# Altium PCB PCB1-recovery2.PcbDoc (part 4 of 5) (continued)
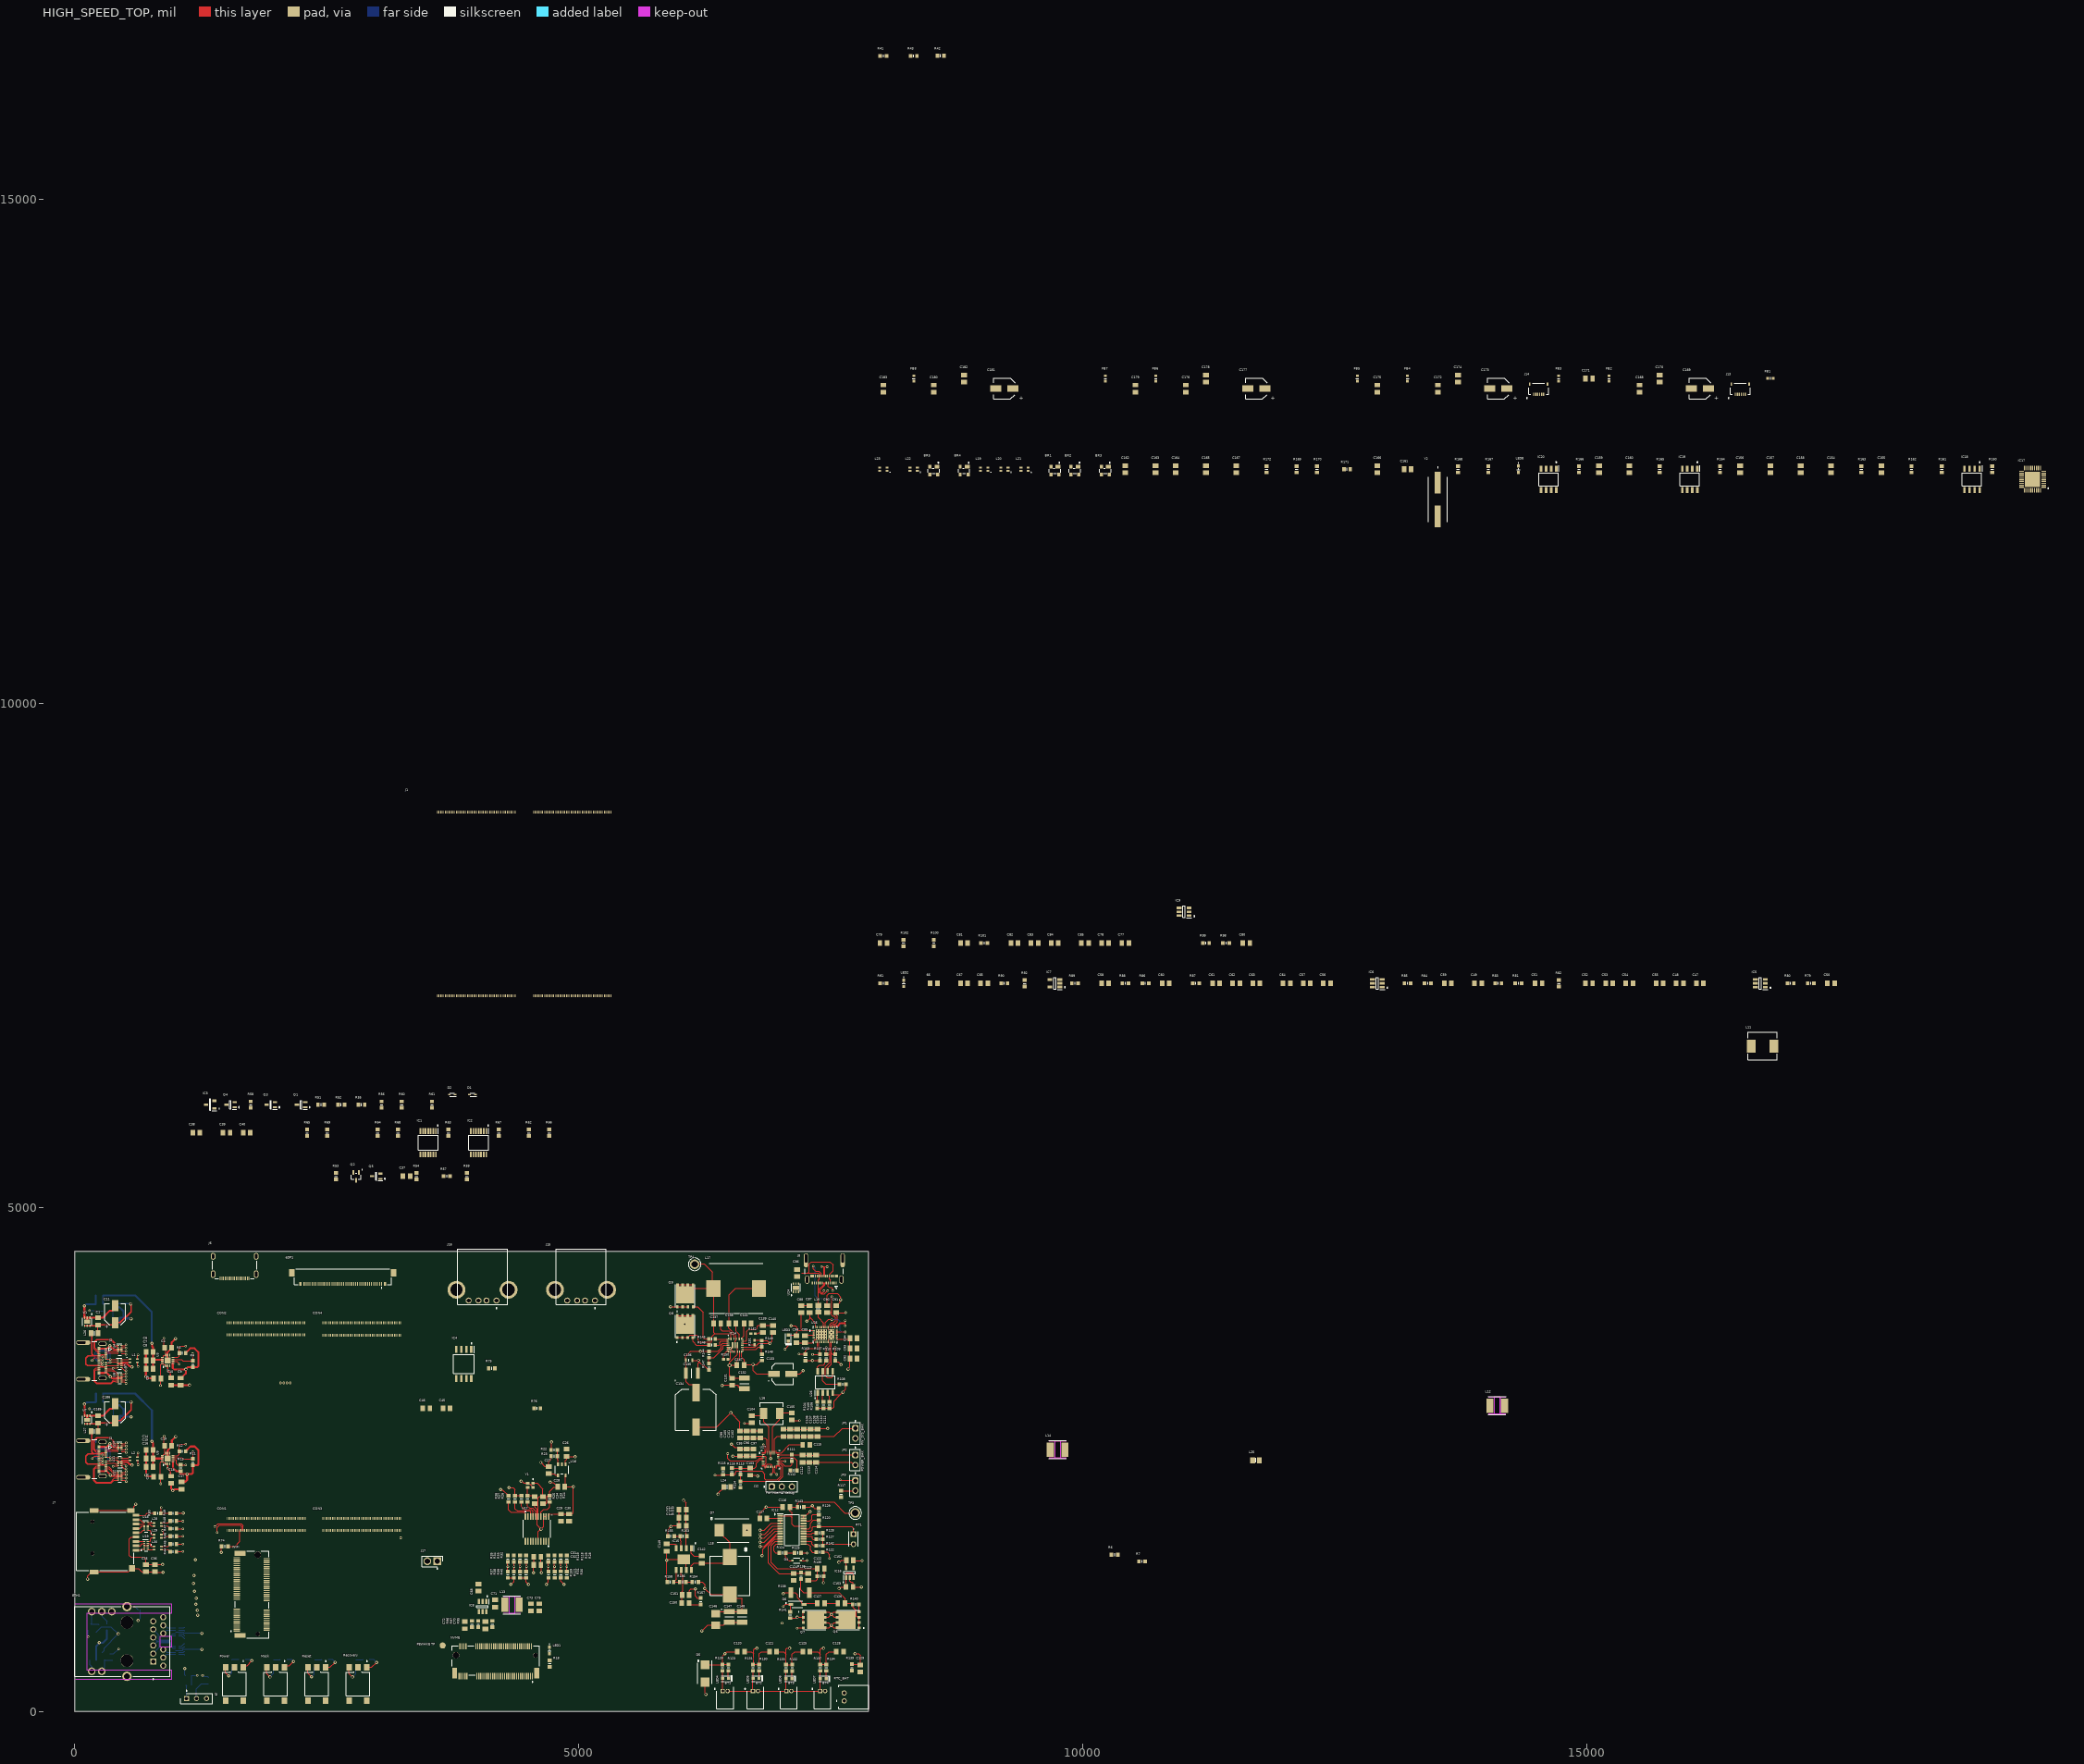
[diagram p0: HIGH_SPEED_TOP view]
## Nets (pads, with @x,y where several pads share a name; then routed paths per layer and width w, separated by ;. In a path a pad name is that pad's centre, name@x,y a point inside that pad or via, vN(x,y) a via of type N, cw(c..) or ccw(c..) an arc to the next point about the centre after c; other vN are vias at no path point) (continued)
IC8_EN: C70.2 IC8.5 R95.2
IC8_SW: C71.2 IC8.2 L13.2
IC8_VFB: C72.1 IC8.4 R96.1 R97.2
IC8_VIN: C68.2 C69.2 IC8.3 R93.2 R94.2
IC9_EN: C79.2 IC9.5 R100.2
IC9_SW: C80.2 IC9.2 L14.2
IC9_VBST: C80.1 C81.1 IC9.4 IC9.6 R101.1 R102.2
IC9_VIN: C77.2 C78.2 IC9.3 R98.2 R99.2
IC12_AVVD: C117.1 IC12.2 | length 132
  HIGH_SPEED_TOP w7.87: C117.1@6866.43,1918 6866.59,1918.16 IC12.2@6998.33,1918.16
IC12_VDD: C116.1 IC12.1 IC12.20 R143.1 TP3.TP | length 1164.1
  HIGH_SPEED_TOP w7.87: IC12.1@6998.33,1943.75 7096.25,1943.75 7116,1924 ; R143.1@7169.25,2028.75 7168,2030 C116.1@7092.43,2030 7093.74,2028.69 7093.74,1994.26 7116,1972 7116,1924 ; R143.1@7170.5,2030 7170.5,2066.5 7184,2080 7531,2080 7640,1971 TP3.TP@7743,1971 ; IC12.20@7229.67,1841.39 7134.61,1841.39 7116,1860 7116,1924
IC15_BOOT: C142.1 IC15.1 | length 164.4
  HIGH_SPEED_TOP w7.87: IC15.1@6116,1618.77 6116,1569 6141.57,1543.43 C142.1@6220,1543.43
IC15_COMP: C150.2 C151.2 IC15.6 | length 338.3
  HIGH_SPEED_TOP w7.87: C150.2@6023.57,1077 C151.2@6023.57,1157 6025,1158.43 6025,1190
  HIGH_SPEED_TOP w10: IC15.6@6016,1405.23 6016,1360 6032,1344 6032,1197 6025,1190
IC15_EN: IC15.3 R153.1 R155.2 | length 187.2
  HIGH_SPEED_TOP w10: R155.2@5946.5,1740 6006.5,1740 R153.1@6007.5,1741 6007.5,1695.5 6016,1687 IC15.3@6016,1618.77
IC15_PH: C142.2 D7.1 IC15.8 L18.1 | length 777.8
  HIGH_SPEED_TOP w10: IC15.8@6116,1405.23 6116,1447 6141.57,1472.57 C142.2@6220,1472.57 6449.37,1472.57 6500,1523.2 L18.1@6500,1535.01 6500,1674.47 6392.2,1782.27 D7.1@6392.2,1799
IC15_SS: C149.2 IC15.4 | length 137.5
  HIGH_SPEED_TOP w7.87: C149.2@5871.06,1663.43 5871.62,1664 5961,1664 5966,1659 IC15.4@5966,1618.77
IC15_VSENSE: IC15.5 R156.1 R158.2 | length 188.8
  HIGH_SPEED_TOP w10: IC15.5@5966,1405.23 5966,1314.47 5940.5,1288.97 R158.2@5940.5,1287 R156.1@6000.5,1287
ILIM: IC14.17 R151.2 | length 127.2
  HIGH_SPEED_TOP w7.87: IC14.17@6622.76,3654.68 6679.31,3654.68 6693.65,3640.35 R151.2@6744,3640.35
ILIM_HIZ: R113.1 R114.2 U27.17 | length 662.2
  HIGH_SPEED_TOP w7.87: R113.1@6604,2352.5 R114.2@6604,2284.5 6604.5,2284 6976,2284 7022,2330 7022,2430.96 6998.2,2454.76 U27.17@6975.84,2454.76
IREF: R36.2 U17.10 | length 289.1
  HIGH_SPEED_TOP w10: R36.2@4303,2079.5 4302,2078.5 4302,2002 4325,1979 4453.34,1979 4469.84,1962.5 U17.10@4469.84,1935.5
LD: IC12.14 R142.1 | length 154.1
  HIGH_SPEED_TOP w7.87: IC12.14@7229.67,1687.84 7303.16,1687.84 7311,1680 7311,1664 7328,1647 R142.1@7357.5,1647
LDO_1V5: C89.2 U25.2 U25.3 U25.4 | length 119.5
  HIGH_SPEED_TOP w7.87: C89.2@7244.14,3734.05 7320.86,3734.05 7322.17,3732.74 U25.4@7329.26,3732.74 ; U25.4@7330.04,3732.74 U25.4@7329.26,3732.74 ; U25.3@7330.04,3748.49 U25.3@7329.26,3748.49 ; U25.2@7330.04,3764.24 7329.26,3764.24 U25.3@7329.26,3748.49 ; U25.4@7329.26,3732.74 U25.3@7329.26,3748.49
LDO_3V3: C88.2 C98.2 LED3.1 R109.1 R110.1 U25.1 U26.8 | length 1473
  HIGH_SPEED_TOP w7.87: v1(7105,3827) 7146,3827 7176.51,3796.49 7176.51,3779.99 ; C98.2@7159.14,3731.05 7159.14,3762.62 7176.51,3779.99 ; U25.1@7330.04,3779.99 7218.99,3779.99 7176.51,3779.99
  HIGH_SPEED_TOP w10: LED3.1@7080,3734.53 7155.66,3734.53 C98.2@7159.14,3731.05 ; C88.2@7206,3957.57 7206,3792.97 7218.99,3779.99 ; U26.8@7369,3375.77 7369,3420 7387,3438 7429,3438 7440.53,3449.53 7440.53,3468.4 7453.25,3481.12 R110.1@7455.21,3481.12 ; R109.1@7543.21,3481.12 7555.93,3468.4 7574.6,3468.4 v1(7602,3441)
  SIGNAL w10: v1(7105,3827) 7146,3827 7532,3441 v1(7602,3441)
LED2_25GLAN_1GLED: CON1.74 R16.1 | length 107.7
  HIGH_SPEED_BOT w10: 345,574.5 385.5,574.5 v2(433,622)
LED3_25GLAN_25GLED: CON1.72 R17.1 | length 64.5
  HIGH_SPEED_BOT w10: v2(132,743) 132,807.5
LED+: ETH1.16 R15.1 | length 144
  HIGH_SPEED_BOT w10: ETH1.16@267,992 275.5,983.5 275.5,939.5 319,896 R15.1@319,869.5
LEDGREEN-: C24.2 ETH1.17 R17.2 | length 205.9
  HIGH_SPEED_BOT w10: ETH1.17@167,992 167,875.49 R17.2@161,869.5 231.94,869.5 C24.2@239,862.43
LEDYellow+: ETH1.14 R14.1 | length 119.2
  HIGH_SPEED_BOT w10: R14.1@149.5,512 149.5,464.5 167,447 ETH1.14@167,400
LEDYellow-: C23.2 ETH1.13 R16.2 | length 205.9
  HIGH_SPEED_BOT w10: ETH1.13@267,400 267,411.47 298.39,442.86 C23.2@298.39,515.32 303.21,510.5 R16.2@374,510.5
LPWR: IC12.15
MASK: Mask.1 R72.2 | length 188.8
  HIGH_SPEED_TOP w10: Mask.1@2080.25,439.35 2095.89,455 2129,455 v1(2171,497)
  HIGH_SPEED_BOT w10: R72.2@2105.5,518 2148.16,518 2169.16,497 v1(2171,497)
Net66_2: 66.2 IC7.4
NetBT1_1: BT1.1 LED4.1 R126.1 | length 202.7
  HIGH_SPEED_TOP w7.87: R126.1@6425,405.5 6425,329.94 LED4.1@6425.94,329 6425.94,206.06 BT1.1@6428,204
NetBT1_2: BT1.2 BT2.1 LED5.1 R131.1 | length 451.7
  HIGH_SPEED_TOP w7.87: BT2.1@6727,204 6727,328.18 LED5.1@6727.89,329.07 6728,329.18 R131.1@6728,405.5
  HIGH_SPEED_TOP w10: BT1.2@6477.21,204 BT2.1@6727,204
NetBT2_2: BT2.2 BT3.1 LED6.1 R133.1 | length 484.5
  HIGH_SPEED_TOP w7.87: R133.1@7056,403.5 7056,328.53 LED6.1@7054.47,327 7054.47,208.32 BT3.1@7058.79,204
  HIGH_SPEED_TOP w10: BT2.2@6776.21,204 BT3.1@7058.79,204
NetBT3_2: BT3.2 BT4.1 LED7.1 R137.1 | length 487.9
  HIGH_SPEED_TOP w7.87: BT4.1@7394,204 7394.47,204.47 LED7.1@7394.47,326 7395,326.53 R137.1@7395,405.5
  HIGH_SPEED_TOP w10: BT3.2@7108,204 BT4.1@7394,204
NetC22_2: C22.2 eDP1.17 eDP1.18 eDP1.19 U13.5 U13.6
NetC47_2: C47.2 C48.2 IC5.3 R79.2 R80.2
NetC49_2: C49.2 IC5.5 R81.2
NetC50_1: C50.1 IC5.6
NetC50_2: C50.2 IC5.2 L11.2
NetC51_1: C51.1 IC5.4 R82.1 R83.2
NetC56_2: C56.2 C57.2 IC6.3 R84.2 R85.2
NetC58_2: C58.2 IC6.5 R86.2
NetC59_1: C59.1 IC6.6
NetC59_2: C59.2 IC6.2 L12.2
NetC60_1: C60.1 IC6.4 R87.1 R88.2
NetC65_2: C65.2 IC7.1 R89.2 R90.2
NetC104_1: C104.1 U27.4 | length 912.8
  HIGH_SPEED_TOP w7.87: v2(6478,2559) 6478,2510 6502,2486 6760,2486 6791.75,2517.75 U27.4@6828.2,2517.75 ; C104.1@6714.43,2865 C104.1@6715,2865.57
  HIGH_SPEED_TOP w10: v2(6642,2861) 6710.43,2861 C104.1@6714.43,2865
  LOW_SPEED w7.87: v2(6478,2559) 6478,2775 6564,2861 v2(6642,2861)
NetC104_2: C104.2 L16.1 U27.28 | length 536.9
  HIGH_SPEED_TOP w7.87: L16.1@6831.78,2958 6837.12,2952.66 6837.12,2871.88 6885.28,2823.72 U27.28@6885.28,2568.93
  HIGH_SPEED_TOP w10: C104.2@6715,2936.43 6810.22,2936.43 L16.1@6831.78,2958
NetC105_1: C105.1 U27.19 | length 670
  HIGH_SPEED_TOP w7.87: U27.19@6976.23,2486.25 7039.38,2486.25 7042.64,2483 v2(7047,2483)
  HIGH_SPEED_TOP w10: C105.1@7113,2893.57 7118.57,2888 v2(7190,2888)
  LOW_SPEED w7.87: v2(7047,2483) 7076.21,2483 7235,2641.79 7235,2843 v2(7190,2888)
NetC105_2: C105.2 L16.2 U27.26 | length 542.1
  HIGH_SPEED_TOP w7.87: U27.26@6920.72,2568.93 6920.72,2822.72 6992.22,2894.22 L16.2@6992.22,2958
  HIGH_SPEED_TOP w10: L16.2@6992.22,2958 6998.65,2964.43 C105.2@7113,2964.43
NetC115_2: C115.2 U27.24 | length 296.6
  HIGH_SPEED_TOP w7.87: U27.24@6957.38,2566.22 7007.22,2566.22 7088,2647 C115.2@7220.57,2647
NetC126_1: C126.1 Q6.1 Q6.2 Q6.3 R136.1 R138.1 R140.2 | length 977.8
  HIGH_SPEED_TOP w7.87: R140.2@7716.5,1064 7722.9,1057.6 7722.9,1035.09 7754.9,1003.09 7754.9,947.99 7759.52,943.38 7773.94,943.38 Q6.3@7781.14,936.18 ; Q6.1@7781.14,831.46 Q6.2@7781.14,883.64 7782.05,884.54 7782.05,935.09 Q6.3@7781.14,936
  HIGH_SPEED_TOP w10: R136.1@7204,1315.5 7204,1207 7231,1180 R138.1@7287,1180 7583,1180 7641.34,1121.66 7641.34,1074.9 C126.1@7640.43,1074 7641.34,1073.09 7707.41,1073.09 R140.2@7716.5,1064
NetC126_2: C126.2 C127.1 | length 132.1
  HIGH_SPEED_TOP w10: C127.1@7437.43,1074 C126.2@7569.57,1074
NetC137_2: C137.2 IC14.23 L17.1 Q8.1 Q8.2 Q8.3 Q9.5 Q9.6 Q9.7 Q9.8 Q9.9 TP4.TP | length 1982.2
  HIGH_SPEED_TOP w7.87: Q8.1@5975.28,3712 Q8.2@6027.64,3712 Q8.3@6080,3712 ; Q8.3@6080,3713.48 6103.52,3737 6168,3737 6182,3723 6182,3685 6198,3669 6315,3669 6322,3676 6322,3724 6348,3750 ; TP4.TP@6149,4438 6155,4444 6242,4444 6326.62,4359.38 L17.1@6326.62,4199 ; C137.2@6337.57,3850 6337.57,3760.43 6348,3750 ; IC14.23@6509.06,3698.5 6509.06,3729.94 6489,3750 6348,3750
  HIGH_SPEED_TOP w10: Q9.8@5979.15,4234.04 Q9.7@6030.53,4234.04 Q9.6@6081.47,4234.04 Q9.5@6132.85,4234.04 ; Q9.9@6056,4136.6 6117.4,4198 L17.1@6334.62,4198 6337.57,4195.06 C137.2@6337.57,3850
NetC139_1: C139.1 R152.2 | length 80.1
  HIGH_SPEED_TOP w7.87: R152.2@6750.65,3750 6774,3750 6785,3761 6825.57,3761 C139.1@6826,3760.57
NetC150_1: C150.1 R157.2 | length 118.1
  HIGH_SPEED_TOP w7.87: C150.1@6094.43,1062 6200.5,1062 R157.2@6209,1070.5
NetC155_1: C155.1 IC17.27 R160.2 R163.1
NetC161_2: C161.2 IC17.33 R172.2 Y2.1
NetC166_1: C166.1 IC17.26 R167.2
NetC167_2: C167.2 IC17.32 R172.1 Y2.2
NetC170_1: C170.1 FB1.2 J13.6
NetC170_2: C170.2 FB2.2 J13.1
NetC171_1: C171.1 J13.MP1 J13.MP2
NetC174_1: C174.1 FB3.2 J14.6
NetC174_2: C174.2 FB4.2 J14.1
NetC175_1: C175.1 J14.MP1 J14.MP2
NetC178_1: C178.1 FB5.2 J15.1
NetC178_2: C178.2 FB6.2 J15.4
NetC179_1: C179.1 J15.5 J15.6
NetC182_1: C182.1 FB7.2 J16.1
NetC182_2: C182.2 FB8.2 J16.4
NetC183_1: C183.1 J16.5 J16.6
NetCON1_1: CON1.1 CON1.2 CON1.3 CON1.4 CON1.5 CON1.6 CON1.7 CON1.8 CON1.9 CON1.10 R6.1 R7.1
NetD1_1: D1.1 R56.2 R59.2
NetD2_1: D2.1 R61.2
NetFB9_2: FB9.2 J2.SH1 J2.SH2 J2.SH3 J2.SH4 | length 68.5
  HIGH_SPEED_BOT w19.68: FB9.2@242.43,3370 242.43,3331.08 J2.SH2@263.37,3310.13
NetFB10_2: FB10.2 J3.SH1 J3.SH2 J3.SH3 J3.SH4 | length 85.2
  HIGH_SPEED_BOT w19.68: 195.9,2688.1 207.71,2676.29 ; FB10.2@243.43,2396 243.43,2357.08 J3.SH2@264.37,2336.13
NetIC1_2: IC1.2 R62.1
NetIC1_5: IC1.5 R63.1
NetIC1_9: IC1.9 R64.1
NetIC1_12: IC1.12 R65.1
NetIC2_2: IC2.2 R66.1
NetIC2_5: IC2.5 R67.1
NetIC2_9: IC2.9 R68.1
NetIC2_12: IC2.12 R69.1
NetIC7_3: IC7.3 R90.1 R91.2
NetIC14_8: IC14.8 R150.2 | length 98.3
  HIGH_SPEED_TOP w7.87: R150.2@6478.38,3495.5 6480.88,3498 6501,3498 6506.1,3503.1 IC14.8@6506.1,3570.55
NetIC17_22: IC17.22 R171.1
NetIC17_24: IC17.24 R170.1
NetIC17_25: IC17.25 R169.1
NetIC17_28: IC17.28 R165.2 R166.1
NetIC17_35: IC17.35 R168.1
NetIC18_1: IC18.1 R161.2 R162.2
NetJP3_2: JP3.2 R117.2 | length 142.6
  HIGH_SPEED_TOP w7.87: R117.2@7601,2190.5 7602.5,2192 JP3.2@7743,2192
NetLED1_2: LED1.2 R18.1
NetLED2_2: LED2.2 R92.1
NetLED4_2: LED4.2 R123.1 | length 76.9
  HIGH_SPEED_TOP w7.87: R123.1@6484,405.5 6484,330 LED4.2@6485,329
NetLED5_2: LED5.2 R130.1 | length 77.3
  HIGH_SPEED_TOP w7.87: LED5.2@6786.94,329.07 6789,331.12 R130.1@6789,405.5
NetLED6_2: LED6.2 R132.1 | length 77.9
  HIGH_SPEED_TOP w7.87: LED6.2@7113.53,327 7117,330.47 R132.1@7117,403.5
NetLED7_2: LED7.2 R134.1 | length 80.1
  HIGH_SPEED_TOP w7.87: LED7.2@7453.53,326 7455,327.47 R134.1@7455,405.5
NetLED8_2: LED8.2 R165.1
NetQ2_1: Q2.1 R58.2
NetQ4_1: Q4.1 Q5.3 R52.1
NetQ5_1: Q5.1 R53.2 R54.2
NetQ8_4: Q8.4 R146.2 | length 212.8
  HIGH_SPEED_TOP w7.87: Q8.4@6132.36,3712 6132.36,3671.64 6167.5,3636.5 R146.2@6290.24,3636.5
NetQ9_4: Q9.4 R145.2 | length 436.8
  HIGH_SPEED_TOP w7.87: Q9.4@6134.54,4015.46 6177.54,4015.46 6234,3959 6234,3704 6240.5,3697.5 R145.2@6290.24,3697.5
NetR6_2: R6.2 R7.2
NetR41_2: R41.2 WIFI.23
NetR42_1: R42.1 WIFI.12
NetR43_1: R43.1 WIFI.14
NetR57_2: R57.2 R58.1
NetR104_2: R104.2 U26.1 | length 91.2
  HIGH_SPEED_TOP w10: R104.2@7364.26,3073.04 7369,3077.78 U26.1@7369,3162.23
NetR105_2: R105.2 U26.2 | length 92.2
  HIGH_SPEED_TOP w10: U26.2@7419,3162.23 7419,3080.22 R105.2@7426.18,3073.04
NetR106_2: R106.2 U26.3 | length 97.1
  HIGH_SPEED_TOP w10: U26.3@7469,3162.23 7469,3145 7488,3126 R106.2@7488,3072.99
NetR108_2: R108.2 U26.7 | length 276.4
  HIGH_SPEED_TOP w10: U26.7@7419,3375.77 7419,3281 7449,3251 7582.5,3251 R108.2@7586.51,3247
NetR111_2: R111.2 U27.18 | length 188.6
  HIGH_SPEED_TOP w7.87: U27.18@6976.82,2470.5 7009.5,2470.5 7041,2439 7100,2439 7113,2452 R111.2@7113,2486.01
NetR154_1: R154.1 R156.2 | length 61
  HIGH_SPEED_TOP w10: R156.2@6063.5,1287 R154.1@6124.5,1287
NetU18_4: U18.4 U18.7
NetU19_4: U19.4 U19.7
NetU25_15: U25.15 U25.30 U25.40 | length 79.9
  HIGH_SPEED_TOP w7.87: U25.15@7475.71,3665.81 7475.71,3688.65 7487.52,3700.46 v3(7487.91,3700.46) ; U25.30@7475.71,3815.42 7475.71,3792.59 7487.52,3780.77 v3(7487.91,3780.77)
  other v3: 7523.35,3700.46 7505.63,3720.54 7487.91,3740.62 7523.35,3740.62 7505.63,3760.69 7523.35,3780.77
NVME_LED: LED1.1 NVME.10
NVME_REFCLK_A_N: NVME.53 R29.2 R31.1 | length 95.3
  HIGH_SPEED_TOP w10: R31.1@4820,1391 4820.33,1391.33 v2(4820.33,1439) 4820.33,1485.67 R29.2@4820,1486.01
NVME_REFCLK_A_P: NVME.55 R28.2 R30.1 | length 96.3
  HIGH_SPEED_TOP w10: R30.1@4881,1390.5 4882,1391.5 v2(4882,1439) 4882,1485.01 R28.2@4881,1486.01
OCDP: IC12.17 R128.2 | length 131.3
  HIGH_SPEED_TOP w7.87: IC12.17@7229.67,1764.61 7310.61,1764.61 7319,1773 R128.2@7357.5,1773
OCS_N1: IC17.13 IC18.2 IC19.2
OCS_N2: IC17.17 IC19.3
OCS_N3: IC17.19 IC20.2
OCS_N4: IC17.21 IC20.3
OE: R27.1 U17.8 | length 279.9
  HIGH_SPEED_TOP w10: R27.1@4367,2079.5 4367,2013 4389,1991 4512,1991 4521.02,1981.98 U17.8@4521.02,1935.5
P3V3: C87.2 C152.2 IC16.5 R103.2 R107.2 U25.38 | length 514.6
  HIGH_SPEED_TOP w7.87: R103.2@7248.14,3483.62 v1(7318.14,3483.62) 7389.64,3483.62 R107.2@7392.14,3481.12 ; C87.2@7292,3953.69 7292,3911 7350,3853 7350,3839.32 7349.72,3839.04 U25.38@7349.72,3815.42
  HIGH_SPEED_TOP w10: v1(7262,3873) 7292,3903 7292,3911 ; v1(7580,1482) 7585.44,1482 7604.64,1501.2 C152.2@7653.77,1501.2 7650.8,1498.23 IC16.5@7650.8,1427.41
P25G_MDI0_N: CON1.80 L3.2
P25G_MDI0_O_N: ETH1.10 L3.3 U14.2 U14.9 | length 199.2
  HIGH_SPEED_BOT w10: ETH1.10@877,776 911.69,810.69 U14.9@997.27,810.69 ; U14.2@1030.73,810.69 1079.26,810.69 1085.69,804.25 L3.3@1092.58,804.25
P25G_MDI0_O_P: ETH1.11 L3.4 U14.1 U14.10 | length 195
  HIGH_SPEED_BOT w10: ETH1.11@877,856 889.54,856 915.18,830.37 U14.10@997.27,830.37 ; U14.1@1030.73,830.37 1080.32,830.37 1085.69,835.75 L3.4@1092.58,835.75
P25G_MDI0_P: CON1.78 L3.1
P25G_MDI1_N: CON1.86 L4.1
P25G_MDI1_O_N: ETH1.5 L4.4 U14.4 U14.7 | length 393.2
  HIGH_SPEED_BOT w10: ETH1.5@777,816 831,762 831,719.86 836.86,714 938,714 946,722 946,745.87 971.44,771.32 U14.7@997.27,771.32 ; U14.4@1030.73,771.32 1070.13,771.32 1085.69,755.75 L4.4@1092.58,755.75
  other v1: 1196,1507
P25G_MDI1_O_P: ETH1.4 L4.3 U14.5 U14.6 | length 340.4
  HIGH_SPEED_BOT w10: ETH1.4@777,736 809,704 938,704 956,722 956,745.77 961.86,751.63 U14.6@997.27,751.63 ; U14.5@1030.73,751.63 1058.32,751.63 1085.69,724.25 L4.3@1092.58,724.25
  other v1: 1181,1349
P25G_MDI1_P: CON1.84 L4.2
P25G_MDI2_N: CON1.92 L5.2
P25G_MDI2_O_N: ETH1.2 L5.3 U15.2 U15.9 | length 394.7
  HIGH_SPEED_BOT w10: ETH1.2@777,576 838,637 838,678.14 843.86,684 939,684 951,672 951,648.44 971.44,628 U15.9@997.27,628 ; U15.2@1030.73,628 1069.44,628 1085.69,644.25 L5.3@1092.58,644.25
  other v1: 1186,1193
P25G_MDI2_O_P: ETH1.3 L5.4 U15.1 U15.10 | length 339.5
  HIGH_SPEED_BOT w10: ETH1.3@777,656 815,694 939,694 956,677 961,672 961,653.54 966.86,647.68 U15.10@997.27,647.68 ; U15.1@1030.73,647.68 1057.63,647.68 1085.69,675.75 L5.4@1092.58,675.75
  other v1: 1176,1271
P25G_MDI2_P: CON1.90 L5.1
P25G_MDI3_N: CON1.98 L6.1
P25G_MDI3_O_N: ETH1.9 L6.4 U15.4 U15.7 | length 196.4
  HIGH_SPEED_BOT w10: ETH1.9@877,616 886.06,616 913.44,588.63 U15.7@997.27,588.63 ; U15.4@1030.73,588.63 1078.58,588.63 1085.69,595.75 L6.4@1092.58,595.75
P25G_MDI3_O_P: ETH1.8 L6.3 U15.5 U15.6 | length 197.7
  HIGH_SPEED_BOT w10: ETH1.8@877,536 909.94,568.94 U15.6@997.27,568.94 ; U15.5@1030.73,568.94 1081,568.94 1085.69,564.25 L6.3@1092.58,564.25
P25G_MDI3_P: CON1.96 L6.2
PACK+: C112.2 C113.2 C114.2 JP2.1 Q6.5 Q6.6 Q6.7 Q6.8 Q6.9 Q7.5 Q7.6 Q7.7 Q7.8 Q7.9 R111.1 R129.1 R143.2 U27.22 U27.23 | length 1507.7
  HIGH_SPEED_TOP w7.87: U27.22@6977.8,2533.5 U27.23@6977.8,2549.24 7112.76,2549.24 R111.1@7113,2549 7214.8,2549 C112.2@7219.72,2544.08 C113.2@7287,2544.08 C114.2@7354.28,2544.08 7356.21,2546 JP2.1@7743,2546 ; R143.2@7233.5,2030 7234.5,2029 7294.47,2029 7309.47,2044 v1(7316,2044) 7316,2037.47 7328.8,2024.68 7328.8,2023.03 7334.36,2017.46 R129.1@7381.87,2017.46
  HIGH_SPEED_TOP w10: Q7.5@7445.58,832.97 7480.97,832.97 v1(7504,856) ; Q7.6@7445.58,884.35 7475.65,884.35 v1(7504,856) ; Q7.7@7445.58,935.29 7476.29,935.29 v1(7504,963) ; Q7.8@7445.58,986.67 7480.33,986.67 v1(7504,963) ; Q6.8@7562.56,832.97 7527.03,832.97 v1(7504,856) ; Q6.7@7562.56,884.35 7532.35,884.35 v1(7504,856) ; Q6.6@7562.56,935.29 7531.71,935.29 v1(7504,963) ; Q6.5@7562.56,986.67 7527.67,986.67 v1(7504,963)
PCIE20_1_REFCLK_N: CON3.17
PCIE20_1_REFCLK_P: CON3.15
PCIE20_1_RX_N: CON3.11 WIFI.43
PCIE20_1_RX_P: CON3.9 WIFI.41
PCIE20_1_TX_N: CON3.5 WIFI.37
PCIE20_1_TX_P: CON3.3 WIFI.35
PCIE30_PORT0_IN_REFCLK_N: CON3.18 R35.2 R37.1 | length 95
  HIGH_SPEED_TOP w10: R37.1@4295.05,1390.5 R37.1@4295.05,1390.5 v2(4295,1439) R35.2@4295.05,1485.5 R35.2@4295.05,1485.5
PCIE30_PORT0_IN_REFCLK_P: CON3.16 R34.2 R38.1 | length 95.6
  HIGH_SPEED_TOP w10: R38.1@4356,1390.5 4356.67,1391.16 v2(4356.67,1439) 4356.67,1484.84 R34.2@4356,1485.5
PCIE30_PORT0_RX0_N: CON3.6 NVME.41
PCIE30_PORT0_RX0_P: CON3.4 NVME.43
PCIE30_PORT0_RX1_N: CON3.12 NVME.29
PCIE30_PORT0_RX1_P: CON3.10 NVME.31
PCIE30_PORT0_TX0_N: CON3.24 NVME.47
PCIE30_PORT0_TX0_P: CON3.22 NVME.49
PCIE30_PORT0_TX1_N: CON3.30 NVME.35
PCIE30_PORT0_TX1_P: CON3.28 NVME.37
PCIE30_PORT1_IN_REFCLK_N: CON3.60 R33.2 R39.1 | length 96.1
  HIGH_SPEED_TOP w10: R39.1@4417,1390.5 4418.33,1391.83 v2(4418.33,1439) 4418.33,1484.17 R33.2@4417,1485.5
PCIE30_PORT1_IN_REFCLK_P: CON3.58 R32.2 R40.1 | length 96.7
  HIGH_SPEED_TOP w10: R40.1@4478,1390.5 4480,1392.5 v2(4480,1439) 4480,1483.5 R32.2@4478,1485.5
PCIE30_PORT1_RX2_N: CON3.36 NVME.17
PCIE30_PORT1_RX2_P: CON3.34 NVME.19
PCIE30_PORT1_RX3_N: CON3.42 NVME.5
PCIE30_PORT1_RX3_P: CON3.40 NVME.7
PCIE30_PORT1_TX2_N: CON3.48 NVME.23
PCIE30_PORT1_TX2_P: CON3.46 NVME.25
PCIE30_PORT1_TX3_N: CON3.54 NVME.11
PCIE30_PORT1_TX3_P: CON3.52 NVME.13
PD: R26.1 U17.7 | length 232.1
  HIGH_SPEED_TOP w10: R26.1@4430,2079.5 4430,2036 4459,2007 4527,2007 4546.61,1987.39 U17.7@4546.61,1935.5
PERST: NVME.50 R19.1
PEWAKE: "pad.Pewake TP" NVME.54 R21.1
PLL: C160.1 IC17.34
PMIC_EXT_EN_OUT: CON1.19 R81.1 R86.1 R95.1 R100.1
PMID: C99.2 C100.2 C101.2 C102.2 U27.29 | length 402.4
  HIGH_SPEED_TOP w7.87: C99.2@6598.58,2714.4 C101.2@6733.15,2714.4 6848.6,2714.4 6867.57,2695.43 U27.29@6867.57,2569.91
POWER: J17.2 Power.1 R70.2 | length 180.5
  HIGH_SPEED_TOP w10: Power.1@1671.58,439.35 1689.51,457.28 1708.28,457.28 v1(1755,504)
  HIGH_SPEED_BOT w10: R70.2@1690.5,518 1738.14,518 1752.14,504 v1(1755,504)
PP5V: C146.1 C147.1 C148.1 C153.2 IC16.1 IC16.3 L18.2 R154.2 U25.34 U25.35 | length 1273.6
  HIGH_SPEED_TOP w7.87: U25.35@7396.97,3815.42 7396.97,3814.81 7412.72,3814.81 U25.34@7412.72,3815.42
  HIGH_SPEED_TOP w10: R154.2@6187.5,1287 6223,1287 6251,1259 6251,1222 v1(6250,1221) 6310.01,1160.99 L18.2@6500,1160.99 6537.13,1123.86 6615.14,1123.86 6621,1118 C148.1@6621,992.36 6620.85,992.21 C147.1@6493.29,992.21 6378.73,992.21 C146.1@6359,972.48 ; v1(7581,1220) 7586.95,1220 7601.05,1234.1 7647.2,1234.1 7650.8,1237.7 IC16.1@7650.8,1328.99 7650.8,1371.8 7657.2,1378.2 7718.2,1378.2 7725.6,1370.8 IC16.3@7725.6,1328.99
PPHV: C92.2 C93.2 C94.2 C95.2 C96.2 C97.2 U25.20 U25.21 U25.22 U27.2 U27.3 U27.8 U27.9 | length 2507.6
  HIGH_SPEED_TOP w7.87: v1(6529,2534) 6598.18,2534 C95.2@6598.58,2534.4 C96.2@6665.86,2534.4 C97.2@6733.15,2534.4 6734.05,2533.5 U27.3@6828.2,2533.5 ; U27.8@6828.2,2454.76 6848.76,2454.76 ; U27.2@6828.2,2549.24 U27.3@6828.2,2533.5 ; U27.9@6847.39,2425.72 6847.39,2435.56 6848.76,2436.93 6848.76,2454.76 ; U25.21@7558.39,3715.02 U25.21@7558.26,3715.02 ; U25.22@7558.39,3732.74 7558.26,3732.74 U25.21@7558.26,3715.02 ; v1(7672,3398) 7672,3402.2 7689.57,3419.76 C92.2@7689.57,3503.07 C93.2@7689.57,3603.07 C94.2@7689.57,3703.07 7682.82,3696.32 U25.20@7558.39,3696.32 7558.26,3696.32 U25.21@7558.26,3715.02 ; U27.3@6828.2,2533.5 6848.5,2533.5 6858,2524 6858,2464 6848.76,2454.76
  SIGNAL w7.87: v1(6529,2534) 6529,2617 7313,3401 7669,3401 v1(7672,3398)
PRES: IC12.22 R129.2 | length 197.6
  HIGH_SPEED_TOP w7.87: IC12.22@7229.67,1892.57 7291.57,1892.57 7311,1912 7311,1945 7321,1955 7381.35,1955 R129.2@7381.87,1954.47
PROG: R112.2 U27.20 | length 306.3
  HIGH_SPEED_TOP w7.87: U27.20@6977.8,2502 6993,2502 7012,2521 7133.63,2521 7165,2489.63 7165,2393.5 R112.2@7163.5,2392
PRTPWR1: IC17.12 IC19.1 R162.1 R164.2
PRTPWR2: IC17.16 IC19.4
PRTPWR3: IC17.18 IC20.1
PRTPWR4: IC17.20 IC20.4
PWR1: BR2.1 C168.1 C169.1 FB1.1 IC18.6 IC18.8 IC19.8
PWR2: BR3.1 C172.1 C173.1 FB3.1 IC19.5
PWR3: BR5.1 C176.1 C177.1 FB5.1 IC20.8
PWR4: BR4.1 C180.1 C181.1 FB7.1 IC20.5
PWRON_L: C41.1 CON1.17 R70.1 | length 71.4
  HIGH_SPEED_BOT w10: C41.1@1558,513.43 1562.57,518 R70.1@1627.5,518
RECOV: R73.2 Recovery.1 | length 197.5
  HIGH_SPEED_TOP w10: Recovery.1@2897.58,439.35 2945.35,439.35 v1(2993,487)
  HIGH_SPEED_BOT w10: R73.2@2923.5,518 2962,518 v1(2993,487)
RECOVERY: C44.1 CON2.1 R73.1 | length 74.4
  HIGH_SPEED_BOT w10: C44.1@2788,513.43 2855.94,513.43 R73.1@2860.5,518
REGN: C103.2 R113.2 R116.2 U27.5 | length 368.4
  HIGH_SPEED_TOP w7.87: R116.2@6519,2409.5 R116.2@6520.5,2408 ; R116.2@6519,2415.5 R113.2@6604,2415.5 6699.06,2415.5 C103.2@6700,2416.43 6703,2413.43 6741.43,2413.43 6763,2435 6763,2467.13 6797.87,2502 U27.5@6828.2,2502
RESET: R71.2 Reset.1 | length 193.2
  HIGH_SPEED_TOP w10: Reset.1@2488.92,439.35 2532.35,439.35 v1(2582,489)
  HIGH_SPEED_BOT w10: R71.2@2514.5,518 2553,518 v1(2582,489)
RESET_L: C42.1 CON1.16 R71.1 | length 72.4
  HIGH_SPEED_BOT w10: C42.1@2381,513.43 2446.94,513.43 R71.1@2451.5,518
RX_M0: D3.1 J9.1 | length 133.6
  HIGH_SPEED_BOT w10: D3.1@1101.47,261 1103.73,261 1107,257.73 J9.1@1107,131
S2: R24.2 U17.4 | length 202.4
  HIGH_SPEED_TOP w10: U17.4@4623.39,1935.5 4624.05,1936.16 4624.05,1977.05 4651.46,2004.46 4688.46,2004.46 4712,2028 R24.2@4712,2079.5
SCL: J6.15 Q1.3 R56.1 U20.5 U20.6
SD_CLK: CON4.60 J7.5 L29.1 L29.4 U18.5 U18.6 | length 251.8
  HIGH_SPEED_TOP w10: J7.5@607.12,1774.64 653.64,1774.64 679.31,1800.31 U18.5@689.54,1800.31 ; U18.6@722.73,1800.31 739.69,1800.31 754,1786 754,1764.75 762.86,1755.88 786.45,1755.88 L29.1@786.58,1755.75 ; L29.4@859.42,1755.75 862.29,1758.62 875.65,1758.62 881.51,1764.48 881.51,1785.14 870,1796.65 v2(870,1798)
SD_CMD: J7.3 L29.2 L29.3 R46.2 U19.1 U19.10 | length 263.7
  HIGH_SPEED_TOP w10: J7.3@607.12,1688.03 607.29,1688.2 689.1,1688.2 U19.1@689.27,1688.37 ; U19.10@722.73,1688.37 723.8,1689.43 745.14,1689.43 751,1695.29 751,1713 762.25,1724.25 L29.2@786.58,1724.25 ; L29.3@859.42,1724.25 894.25,1724.25 909.4,1739.4 R46.2@945.5,1739.4
SD_D0: J7.7 L28.2 L28.3 R47.2 U18.2 U18.9 | length 252.4
  HIGH_SPEED_TOP w10: J7.7@607.12,1861.26 608.06,1860.31 688.59,1860.31 U18.2@689.54,1859.37 ; U18.9@722.73,1859.37 740.63,1859.37 759,1841 785.83,1841 L28.2@786.58,1840.25 ; L28.3@859.42,1840.25 922.82,1840.25 945.5,1817.57 R47.2@945.5,1815.6
SD_D1: J7.8 L28.1 L28.4 R48.2 U18.1 U18.10 | length 256.6
  HIGH_SPEED_TOP w10: J7.8@607.12,1904.57 608.55,1906 644,1906 670.95,1879.05 U18.1@689.54,1879.05 ; U18.10@722.73,1879.05 744.95,1879.05 751,1873 785.33,1873 L28.1@786.58,1871.75 ; L28.4@859.42,1871.75 927.42,1871.75 945.5,1889.83 R48.2@945.5,1891.8
SD_D2: J7.1 L30.2 L30.3 R44.2 U19.5 U19.6 | length 246
  HIGH_SPEED_TOP w10: J7.1@607.12,1601.42 656.42,1601.42 664.63,1609.63 U19.5@689.27,1609.63 ; U19.6@722.73,1609.63 723.42,1608.94 785.89,1608.94 L30.2@786.58,1608.25 ; L30.3@859.42,1608.25 926.22,1608.25 945.5,1588.97 R44.2@945.5,1587
SD_D3: J7.2 L30.1 L30.4 R45.2 U19.2 U19.9 | length 274.7
  HIGH_SPEED_TOP w10: J7.2@607.12,1644.72 608.39,1646 648,1646 670.69,1668.69 U19.2@689.27,1668.69 ; U19.9@722.73,1668.69 745.14,1668.69 751,1662.83 751,1646 757.25,1639.75 L30.1@786.58,1639.75 ; L30.4@859.42,1639.75 924.02,1639.75 945.5,1661.23 R45.2@945.5,1663.2
SD_DET: J7.CD R50.2 | length 193.7
  HIGH_SPEED_TOP w10: J7.CD@607.12,1947.87 696.87,1947.87 717,1968 R50.2@792.5,1968
SDA: J6.16 Q2.3 R59.1 U20.4 U20.7
SDMMC0_CMD: CON4.56 R46.1 | length 62.8
  HIGH_SPEED_TOP w10: R46.1@1008.5,1739.4 1009.1,1738.8 v2(1071,1738.8)
SDMMC0_D0: CON4.64 R47.1 | length 63.1
  HIGH_SPEED_TOP w10: R47.1@1008.5,1815.6 1009.9,1814.2 v2(1071,1814.2)
SDMMC0_D1: CON4.66 R48.1 | length 63.4
  HIGH_SPEED_TOP w10: R48.1@1008.5,1891.8 1010.7,1889.6 v2(1071,1889.6)
SDMMC0_D2: CON4.52 R44.1 | length 62.9
  HIGH_SPEED_TOP w10: R44.1@1008.5,1587 1009.5,1588 v2(1071,1588)
SDMMC0_D3: CON4.54 R45.1 | length 62.6
  HIGH_SPEED_TOP w10: R45.1@1008.5,1663.2 1008.7,1663.4 v2(1071,1663.4)
SHIELD: ETH1.S1 ETH1.S2 FB11.2 | length 124.3
  HIGH_SPEED_BOT w10: ETH1.S2@517,1042 596.41,1042 627.43,1010.98 FB11.2@627.43,1010
SR_N: C122.2 C123.2 IC12.11 R135.2 | length 958.8
  HIGH_SPEED_TOP w7.87: IC12.11@6998.33,1687.84 6949.84,1687.84 6910,1648 6910,1477 6968,1419 C122.2@7365.57,1419 7365.57,1343.94 R135.2@7366.5,1343 7366.5,1312.5 7354.57,1300.57 C123.2@7275,1300.57
SR_P: C123.1 C124.2 IC12.10 R136.2 | length 764.1
  HIGH_SPEED_TOP w7.87: IC12.10@6998.33,1713.43 6947.43,1713.43 6880,1646 6880,1474 6985.57,1368.43 7127,1368.43 C124.2@7130,1371.43
  HIGH_SPEED_TOP w10: C124.2@7130,1371.43 7196.94,1371.43 R136.2@7204,1378.5 7211.06,1371.43 C123.1@7275,1371.43
STAT: LED3.2 U27.1 | length 1247.8
  HIGH_SPEED_TOP w7.87: v2(6832,2647) 6849.11,2629.89 U27.1@6849.11,2566.22 ; v2(7047,3596) 7080,3629 LED3.2@7080,3675.47
  LOW_SPEED w7.87: v2(6832,2647) 6881,2696 6881,3479 6998,3596 v2(7047,3596)
SW2_(1,2): C138.2 IC14.21 IC14.25 L17.2 | length 857.2
  HIGH_SPEED_TOP w7.87: IC14.25@6550.39,3635 6550.39,3674.86 6559.25,3683.72 6559.25,3698.98 IC14.21@6560.24,3699.96 6560.24,3731.94 6488.57,3803.61 C138.2@6488.57,3850 6492,3853.43 6492,4136 6554,4198 L17.2@6787.38,4198
TS: JP3.1 R115.2 R116.1 U27.16 | length 2450.5
  HIGH_SPEED_TOP w7.87: v2(6351,2347) 6428,2347 R115.2@6432,2351 R116.1@6517.5,2351 ; R116.1@6518.5,2350 6544,2350 6554,2360 6554,2375 6564,2385 6817,2385 6845,2357 6845,2309 6855,2299 6967,2299 7004,2336 7004,2422.26 6988.48,2437.78 U27.16@6959.35,2437.78 ; v2(7592,2300) 7596.36,2300 7602.36,2294 7741,2294 JP3.1@7743,2292
  LOW_SPEED w7.87: v2(6351,2347) 6351,2302 6493,2160 7452,2160 v2(7592,2300)
TX0P_N: IC2.6 J6.9 U23.2 U23.9
TX0P_OUT_N: L9.2 R67.2
TX0P_OUT_P: L9.1 R66.2
TX0P_P: IC2.3 J6.8 U23.1 U23.10
TX1P_N: IC1.11 J6.6 U22.5 U22.6
TX1P_OUT_N: L8.2 R65.2
TX1P_OUT_P: L8.1 R64.2
TX1P_P: IC1.8 J6.5 U22.4 U22.7
TX2P_N: IC1.6 J6.3 U22.2 U22.9
TX2P_OUT_N: L7.2 R63.2
TX2P_OUT_P: L7.1 R62.2
TX2P_P: IC1.3 J6.2 U22.1 U22.10
TX3P_N: IC2.11 J6.12 U23.5 U23.6
TX3P_OUT_N: L10.2 R69.2
TX3P_OUT_P: L10.1 R68.2
TX3P_P: IC2.8 J6.11 U23.4 U23.7